# Altium PCB 6_layers_Testboard.PcbDoc (part 1 of 3) (continued)
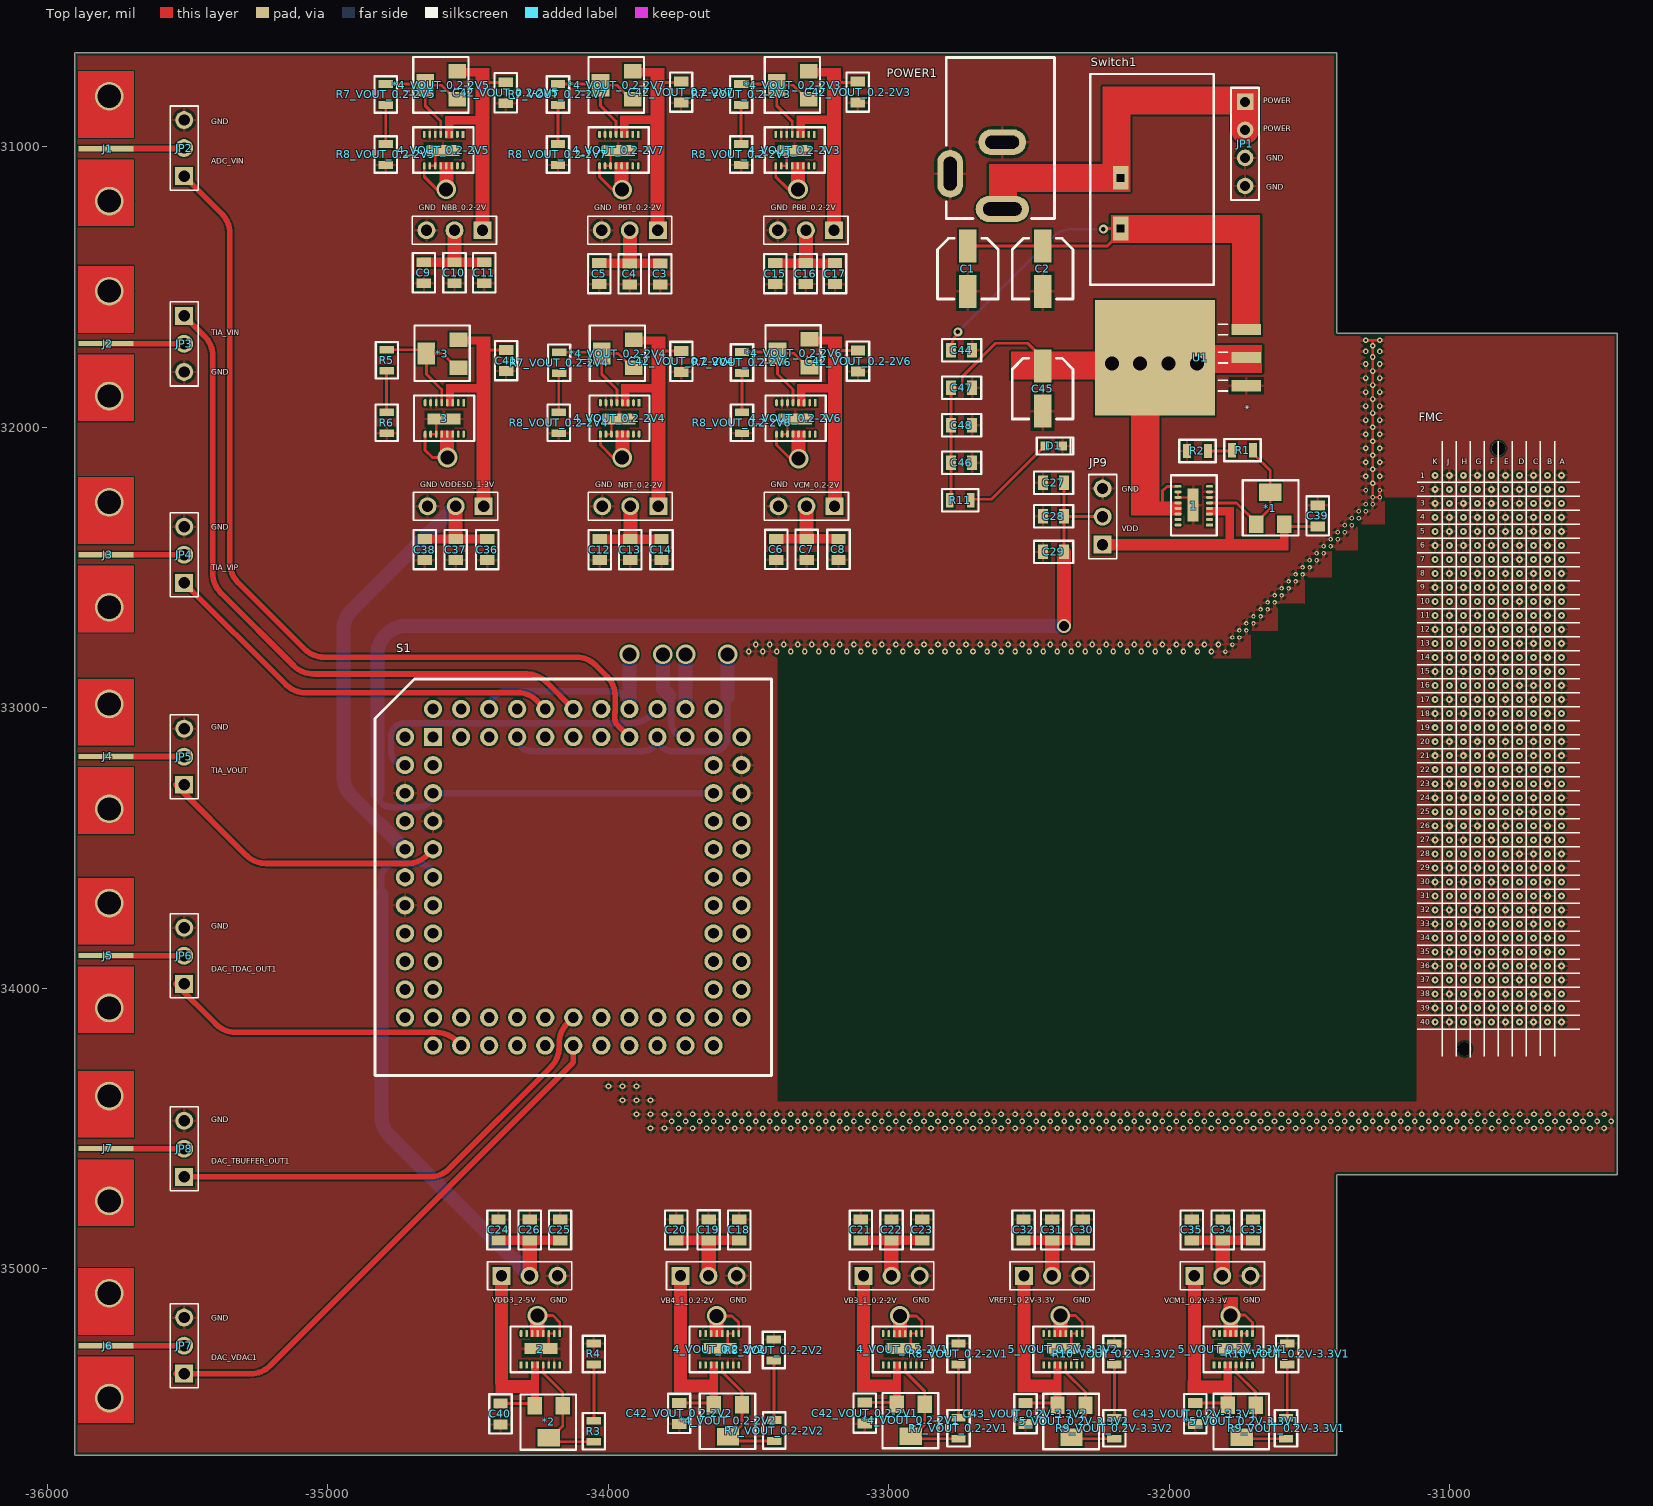
[diagram p0: Top layer view]
## Footprints (in the part's own frame and the unit in brackets; to place one, negate y for a bottom-side part, rotate by r counter-clockwise, add the part's x,y. Pads: shape width x height; smd on the part's side, far side on the other; paste and mask are expansions set on the pad) (continued)
  Bottom Layer region: 1,0 4.75,0 4.75,-1.75 4.888,-1.75 5.155,-1.822 5.395,-1.96 5.59,-2.155 5.728,-2.395 5.8,-2.662 5.8,-2.938 5.728,-3.205 5.59,-3.445 5.395,-3.64 5.155,-3.778 4.888,-3.85 4.75,-3.85 4.612,-3.85 4.345,-3.778 4.105,-3.64 3.91,-3.445 3.772,-3.205 3.7,-2.938 3.7,-2.662 3.772,-2.395 3.91,-2.155 4.105,-1.96 4.345,-1.822 4.612,-1.75 4.75,-1.75 4.75,-1.75 4.75,0 7,0 7,-5 1,-5
  Bottom Layer region: -1,0 -4.75,0 -4.75,-1.75 -4.888,-1.75 -5.155,-1.822 -5.395,-1.96 -5.59,-2.155 -5.728,-2.395 -5.8,-2.662 -5.8,-2.938 -5.728,-3.205 -5.59,-3.445 -5.395,-3.64 -5.155,-3.778 -4.888,-3.85 -4.75,-3.85 -4.612,-3.85 -4.345,-3.778 -4.105,-3.64 -3.91,-3.445 -3.772,-3.205 -3.7,-2.938 -3.7,-2.662 -3.772,-2.395 -3.91,-2.155 -4.105,-1.96 -4.345,-1.822 -4.612,-1.75 -4.75,-1.75 -4.75,-1.75 -4.75,0 -7,0 -7,-5 -1,-5
  body extent -7,-5 7,9.5, height 5.15
SERIES940_Socket [mil]
  round 65 hole 38: 1(500,-1100) 2(500,-1000) 3(600,-1100) 4(600,-1000) 5(700,-1100) 6(700,-1000) 7(800,-1100) 8(800,-1000) 9(900,-1100) 10(900,-1000) 11(1000,-1100) 12(1100,-1000) 13(1000,-1000) 14(1100,-900) 15(1000,-900) 16(1100,-800) 17(1000,-800) 18(1100,-700) 19(1000,-700) 20(1100,-600) 21(1000,-600) 22(1100,-500) 23(1000,-500) 24(1100,-400) 25(1000,-400) 26(1100,-300) 27(1000,-300) 28(1100,-200) 29(1000,-200) 30(1100,-100) 31(1000,-100) 32(1100,0) 33(1000,100) 34(1000,0) 35(900,100) 36(900,0) 37(800,100) 38(800,0) 39(700,100) 40(700,0) 41(600,100) 42(600,0) 43(500,100) 44(500,0) 45(400,100) 46(400,0) 47(300,100) 48(300,0) 49(200,100) 50(200,0) 51(100,100) 52(100,0) 53(0,100) 54(-100,0) 56(-100,-100) 57(0,-100) 58(-100,-200) 59(0,-200) 60(-100,-300) 61(0,-300) 62(-100,-400) 63(0,-400) 64(-100,-500) 65(0,-500) 66(-100,-600) 67(0,-600) 68(-100,-700) 69(0,-700) 70(-100,-800) 71(0,-800) 72(-100,-900) 73(0,-900) 74(-100,-1000) 75(0,-1100) 76(0,-1000) 77(100,-1100) 78(100,-1000) 79(200,-1100) 80(200,-1000) 81(300,-1100) 82(300,-1000) 83(400,-1100) 84(400,-1000)
  rect 65x65 hole 38: 55(0,0)
  silkscreen extent -206,-1206 1206,206, body extent -206,-1206 1206,206, height 319
SPST-2 [mil] "Switch; 2 Leads"
  rect 85x55 hole 27 square: 1(0,0) 2(181,0)
  silkscreen extent -370,-108 381,332, body extent -377,-102 376,327, height 554

## Part data
1 2 3 4_VOUT_0.2-2V1 4_VOUT_0.2-2V2 4_VOUT_0.2-2V3 4_VOUT_0.2-2V4 4_VOUT_0.2-2V5 4_VOUT_0.2-2V6 4_VOUT_0.2-2V7 5_VOUT_0.2V-3.3V1 5_VOUT_0.2V-3.3V2: library part LT3022, "Linear Voltage Regulator IC Positive Adjustable 1 Output 1A 16-DFN (5x3)"
C1 C2 C45: library part CAP-10uF, "CAP ALUM 100UF 20% 10V SMD", ESR (Equivalent Series Resistance)=-, Lifetime @ Temp.="1000 Hrs @ 85°C", Manufacturer="Panasonic Electronic Components", Manufacturer Part Number=EEE-1AA101WR, Operating Temperature="-40°C ~ 85°C", Package / Case="Radial, Can - SMD", Ratings=AEC-Q200, Supplier Part Number 1=PCE3867CT-ND, Tolerance=±20%, Applications=Automotive, Category=Capacitors, ComponentLink1Description=https://industrial.panasonic.com/cdbs/www-data/pdf/RDE0000/ABA0000C1145.pdf, ComponentLink1URL=https://industrial.panasonic.com/cdbs/www-data/pdf/RDE0000/ABA0000C1145.pdf, Height - Seated (Max)="0.213\" (5.40mm)", Lead Spacing=-, Mounting Type="Surface Mount", Packaging="Cut Tape (CT)", Part Status=Active, Polarization=Polar, Pricing 1="1=0.31, 10=0.212, 100=0.1272, 500=0.09538 (USD)", RoHS="RoHS Compliant", Size / Dimension="0.197\" Dia (5.00mm)", Stock 1=89696, Supplier 1=Digi-Key, Surface Mount Land Size="0.209\" L x 0.209\" W (5.30mm x 5.30mm)"
C3 C6 C9 C12 C15 C18 C21 C24 C27 C30 C33 C36: library part "Cap 0.1uF", "Cap 0.1uF", Capacitance=10nF, Case Code (Imperial)=0805, Case Code (Metric)=2012, Dielectric Material=Ceramic, Manufacturer="Taiyo Yuden", Manufacturer Part Number=UMK212SD103KD-T, Max Operating Temperature=125°C, Min Operating Temperature=-55°C, Package Quantity=1, Supplier Part Number 1=587-1114-1-ND, Tolerance=10%, Voltage Rating=50V, Case/Package=0805, ComponentLink1Description=https://datasheet.ciiva.com/138/umk212sd103kd-t-ss-138661.pdf, ComponentLink1URL=https://datasheet.ciiva.com/138/umk212sd103kd-t-ss-138661.pdf, ComponentLink2Description=https://datasheet.ciiva.com/138/mlcc07-e-138662.pdf, ComponentLink2URL=https://datasheet.ciiva.com/138/mlcc07-e-138662.pdf, ComponentLink3Description=https://datasheet.ciiva.com/138/mlcc07-e-138663.pdf, ComponentLink3URL=https://datasheet.ciiva.com/138/mlcc07-e-138663.pdf, ComponentLink4Description=https://datasheet.ciiva.com/30140/303umk212sd103kd-t-30140925.pdf, ComponentLink4URL=https://datasheet.ciiva.com/30140/303umk212sd103kd-t-30140925.pdf, Depth=1.25mm, Halogen Free="Halogen Free", Height=0.85mm, Lead Free="Lead Free", Length=2mm, Mount="Surface Mount", Number of Pins=2, Packaging="Tape and Reel", Pricing 1="1=0.47, 10=0.323, 100=0.1941, 500=0.1455, 1000=0.1229 (USD)", Radiation Hardening=No, Stock 1=14125, Supplier 1=Digi-Key, Termination=SMD/SMT, Thickness=0.037inch, Voltage Rating (DC)=50V, Width=0.049inch
C4 C7 C10 C13 C16 C19 C22 C25 C28 C31 C34 C37: library part "Cap 1uF", "Cap 1uF", Capacitance=10nF, Case Code (Imperial)=0805, Case Code (Metric)=2012, Dielectric Material=Ceramic, Manufacturer="Taiyo Yuden", Manufacturer Part Number=UMK212SD103KD-T, Max Operating Temperature=125°C, Min Operating Temperature=-55°C, Package Quantity=1, Supplier Part Number 1=587-1114-1-ND, Tolerance=10%, Voltage Rating=50V, Case/Package=0805, ComponentLink1Description=https://datasheet.ciiva.com/138/umk212sd103kd-t-ss-138661.pdf, ComponentLink1URL=https://datasheet.ciiva.com/138/umk212sd103kd-t-ss-138661.pdf, ComponentLink2Description=https://datasheet.ciiva.com/138/mlcc07-e-138662.pdf, ComponentLink2URL=https://datasheet.ciiva.com/138/mlcc07-e-138662.pdf, ComponentLink3Description=https://datasheet.ciiva.com/138/mlcc07-e-138663.pdf, ComponentLink3URL=https://datasheet.ciiva.com/138/mlcc07-e-138663.pdf, ComponentLink4Description=https://datasheet.ciiva.com/30140/303umk212sd103kd-t-30140925.pdf, ComponentLink4URL=https://datasheet.ciiva.com/30140/303umk212sd103kd-t-30140925.pdf, Depth=1.25mm, Halogen Free="Halogen Free", Height=0.85mm, Lead Free="Lead Free", Length=2mm, Mount="Surface Mount", Number of Pins=2, Packaging="Tape and Reel", Pricing 1="1=0.47, 10=0.323, 100=0.1941, 500=0.1455, 1000=0.1229 (USD)", Radiation Hardening=No, Stock 1=14125, Supplier 1=Digi-Key, Termination=SMD/SMT, Thickness=0.037inch, Voltage Rating (DC)=50V, Width=0.049inch
C5 C8 C11 C14 C17 C20 C23 C26 C29 C32 C35 C38: library part "Cap 100pF", "Cap 100pF", Capacitance=10nF, Case Code (Imperial)=0805, Case Code (Metric)=2012, Dielectric Material=Ceramic, Manufacturer="Taiyo Yuden", Manufacturer Part Number=UMK212SD103KD-T, Max Operating Temperature=125°C, Min Operating Temperature=-55°C, Package Quantity=1, Supplier Part Number 1=587-1114-1-ND, Tolerance=10%, Voltage Rating=50V, Case/Package=0805, ComponentLink1Description=https://datasheet.ciiva.com/138/umk212sd103kd-t-ss-138661.pdf, ComponentLink1URL=https://datasheet.ciiva.com/138/umk212sd103kd-t-ss-138661.pdf, ComponentLink2Description=https://datasheet.ciiva.com/138/mlcc07-e-138662.pdf, ComponentLink2URL=https://datasheet.ciiva.com/138/mlcc07-e-138662.pdf, ComponentLink3Description=https://datasheet.ciiva.com/138/mlcc07-e-138663.pdf, ComponentLink3URL=https://datasheet.ciiva.com/138/mlcc07-e-138663.pdf, ComponentLink4Description=https://datasheet.ciiva.com/30140/303umk212sd103kd-t-30140925.pdf, ComponentLink4URL=https://datasheet.ciiva.com/30140/303umk212sd103kd-t-30140925.pdf, Depth=1.25mm, Halogen Free="Halogen Free", Height=0.85mm, Lead Free="Lead Free", Length=2mm, Mount="Surface Mount", Number of Pins=2, Packaging="Tape and Reel", Pricing 1="1=0.47, 10=0.323, 100=0.1941, 500=0.1455, 1000=0.1229 (USD)", Radiation Hardening=No, Stock 1=14125, Supplier 1=Digi-Key, Termination=SMD/SMT, Thickness=0.037inch, Voltage Rating (DC)=50V, Width=0.049inch
C39 C40 C41 C42_VOUT_0.2-2V1 C42_VOUT_0.2-2V2 C42_VOUT_0.2-2V3 C42_VOUT_0.2-2V4 C42_VOUT_0.2-2V5 C42_VOUT_0.2-2V6 C42_VOUT_0.2-2V7 C43_VOUT_0.2V-3.3V1 C43_VOUT_0.2V-3.3V2: library part "Cap 10uF", "Cap 10uF", Capacitance=10nF, Case Code (Imperial)=0805, Case Code (Metric)=2012, Dielectric Material=Ceramic, Manufacturer="Taiyo Yuden", Manufacturer Part Number=UMK212SD103KD-T, Max Operating Temperature=125°C, Min Operating Temperature=-55°C, Package Quantity=1, Supplier Part Number 1=587-1114-1-ND, Tolerance=10%, Voltage Rating=50V, Case/Package=0805, ComponentLink1Description=https://datasheet.ciiva.com/138/umk212sd103kd-t-ss-138661.pdf, ComponentLink1URL=https://datasheet.ciiva.com/138/umk212sd103kd-t-ss-138661.pdf, ComponentLink2Description=https://datasheet.ciiva.com/138/mlcc07-e-138662.pdf, ComponentLink2URL=https://datasheet.ciiva.com/138/mlcc07-e-138662.pdf, ComponentLink3Description=https://datasheet.ciiva.com/138/mlcc07-e-138663.pdf, ComponentLink3URL=https://datasheet.ciiva.com/138/mlcc07-e-138663.pdf, ComponentLink4Description=https://datasheet.ciiva.com/30140/303umk212sd103kd-t-30140925.pdf, ComponentLink4URL=https://datasheet.ciiva.com/30140/303umk212sd103kd-t-30140925.pdf, Depth=1.25mm, Halogen Free="Halogen Free", Height=0.85mm, Lead Free="Lead Free", Length=2mm, Mount="Surface Mount", Number of Pins=2, Packaging="Tape and Reel", Pricing 1="1=0.47, 10=0.323, 100=0.1941, 500=0.1455, 1000=0.1229 (USD)", Radiation Hardening=No, Stock 1=14125, Supplier 1=Digi-Key, Termination=SMD/SMT, Thickness=0.037inch, Voltage Rating (DC)=50V, Width=0.049inch
C44 C46 C47 C48: library part UMK212SD103KD-T, "CAP 10nF 50V RF", Capacitance=10nF, Case Code (Imperial)=0805, Case Code (Metric)=2012, Dielectric Material=Ceramic, Manufacturer="Taiyo Yuden", Max Operating Temperature=125°C, Min Operating Temperature=-55°C, Package Quantity=1, Supplier Part Number 1=587-1114-1-ND, Tolerance=10%, Voltage Rating=50V, Case/Package=0805, ComponentLink1Description=https://datasheet.ciiva.com/138/umk212sd103kd-t-ss-138661.pdf, ComponentLink1URL=https://datasheet.ciiva.com/138/umk212sd103kd-t-ss-138661.pdf, ComponentLink2Description=https://datasheet.ciiva.com/138/mlcc07-e-138662.pdf, ComponentLink2URL=https://datasheet.ciiva.com/138/mlcc07-e-138662.pdf, ComponentLink3Description=https://datasheet.ciiva.com/138/mlcc07-e-138663.pdf, ComponentLink3URL=https://datasheet.ciiva.com/138/mlcc07-e-138663.pdf, ComponentLink4Description=https://datasheet.ciiva.com/30140/303umk212sd103kd-t-30140925.pdf, ComponentLink4URL=https://datasheet.ciiva.com/30140/303umk212sd103kd-t-30140925.pdf, Depth=1.25mm, Halogen Free="Halogen Free", Height=0.85mm, Lead Free="Lead Free", Length=2mm, Manufacturer Part Number=UMK212SD103KD-T, Mount="Surface Mount", Number of Pins=2, Packaging="Tape and Reel", Pricing 1="1=0.47, 10=0.323, 100=0.1941, 500=0.1455, 1000=0.1229 (USD)", Radiation Hardening=No, Stock 1=14125, Supplier 1=Digi-Key, Termination=SMD/SMT, Thickness=0.037inch, Voltage Rating (DC)=50V, Width=0.049inch
D1: library part "LG L29K-G2J1-24-Z", "LED GREEN DIFFUSED 0603 SMD", Current - Test=2mA, Lens Color=White, Manufacturer="OSRAM Opto Semiconductors Inc.", Millicandela Rating=3.92mcd, Package / Case="0603 (1608 Metric)", Supplier Device Package=0603, Supplier Part Number 1=475-2709-1-ND, Voltage - Forward (Vf) (Typ)=1.7V, Category=Optoelectronics, Color=Green, ComponentLink1Description=http://www.osram-os.com/Graphics/XPic0/00167682_0.pdf, ComponentLink1URL=http://www.osram-os.com/Graphics/XPic0/00167682_0.pdf, Features=-, Height (Max)=0.65mm, Lens Style/Size="Rectangle with Flat Top, 1.30mm x 0.80mm", Lens Transparency=Diffused, Manufacturer Part Number="LG L29K-G2J1-24-Z", Mounting Type="Surface Mount", Packaging="Cut Tape (CT)", Part Status=Active, Pricing 1="1=0.47, 10=0.339, 25=0.2768, 100=0.2215, 250=0.18688, 500=0.15918, 1000=0.12458, 2500=0.1142 (USD)", RoHS="RoHS Compliant", Size / Dimension="1.70mm L x 0.80mm W", Stock 1=0, Supplier 1=Digi-Key, Viewing Angle=160°, Wavelength - Dominant=570nm, Wavelength - Peak=572nm
J1 J2 J3 J4 J5 J6 J7: "SMA Right Angle Jack, Edge Mount Screw On, Heavy Duty, Up to 18 GHz, -65 to 165 degC", PartNumber=32K243-40ML5, ComponentLink1Description="Manufacturer URL", ComponentLink1URL=http://www.rosenberger.de, ComponentLink2Description=Datasheet, ComponentLink2URL=http://rosenberger.de/ok/images/documents/db/32K243-40ML5.pdf, ComponentLink3Description="Package Specification", ComponentLink3URL=http://rosenberger.de/ok/images/documents/db/32K243-40ML5.pdf, ComponentLink4Description="Series Overview / Design Note", ComponentLink4URL=http://rosenberger.de/ok/images/documents/spez/32.pdf, ComponentLink5Description="Webshop / RFQ", ComponentLink5URL=http://www.rosenberger.com/en/contact/sales/, DatasheetVersion=c00, Design Note="Footprint in library is a generic example - only application specific footprint delivers High Performance", Mounting Technology="Surface Mount", PackageDescription="SMA Right Angle Jack, Edge Mount Screw On, 14.50 x 14.00 x 5.15 mm", PackageReference=32K243-40ML5, PackageVersion=c00
JP1: "Header, 4-Pin", LatestRevisionDate=17-Jul-2002, LatestRevisionNote="Re-released for DXP Platform.", Publisher="Altium Limited"
JP2 JP3 JP4 JP5 JP6 JP7 JP8 JP9 NBB_0.2-2V NBT_0.2-2V PBB_0.2-2V PBT_0.2-2V VB3_1_0.2-2V VB4_1_0.2-2V VCM1_0.2V-3.3V VCM_0.2-2V VDD3_2-5V VDDESD_1-3V VREF1_0.2V-3.3V: library part Jumper-01x03, "01X03 generic terminal connector"
POWER1: "PJ-002AH", Colour=Black, Current Rating=5A, Flammability Rating="UL94 V-0", Insulation Resistance=50MR, Manufacturer=CUI, Max Operating Temperature=85°C, Min Operating Temperature=-25°C, Package Quantity=500, Supplier Part Number 1=CP-002AH-ND, Voltage Rating=24V, ComponentLink1Description=http://www.cui.com/Product/Resource/FuturePDF/PJ-002AH.pdf, ComponentLink1URL=http://www.cui.com/Product/Resource/FuturePDF/PJ-002AH.pdf, ComponentLink2Description=http://www.cui.com/product/resource/digikeypdf/pj-002ah.pdf, ComponentLink2URL=http://www.cui.com/product/resource/digikeypdf/pj-002ah.pdf, ComponentLink3Description=http://www.mouser.com/ds/2/670/pj-002ah-516007.pdf, ComponentLink3URL=http://www.mouser.com/ds/2/670/pj-002ah-516007.pdf, Connector Type=Jack, Contact Gender=Male, Contact Material="Copper,Copper Alloy", Contact Plating=Nickel, Diameter=2.1mm, Gender=Male, Housing Colour=Black, Housing Material=Thermoplastic, Lead Free="Lead Free", Manufacturer Part Number=PJ-002AH, Mount="Through Hole", Number of Conductors=2, Orientation=Horizontal, Packaging=Bulk, Pricing 1="1=0.74, 10=0.696, 25=0.6264, 50=0.5568, 100=0.5336, 250=0.4872, 500=0.464, 1000=0.3828, 2500=0.348 (USD)", Shielding=Unshielded, Stock 1=95768, Supplier 1=Digi-Key, Termination="Through Hole"
R1 R2 R3 R4 R5 R6 R7_VOUT_0.2-2V1 R7_VOUT_0.2-2V2 R7_VOUT_0.2-2V3 R7_VOUT_0.2-2V4 R7_VOUT_0.2-2V5 R7_VOUT_0.2-2V6 R7_VOUT_0.2-2V7 R8_VOUT_0.2-2V1 R8_VOUT_0.2-2V2 R8_VOUT_0.2-2V3 R8_VOUT_0.2-2V4 R8_VOUT_0.2-2V5 R8_VOUT_0.2-2V6 R8_VOUT_0.2-2V7 R9_VOUT_0.2V-3.3V1 R9_VOUT_0.2V-3.3V2 R10_VOUT_0.2V-3.3V1 R10_VOUT_0.2V-3.3V2: library part "Res 100"
R11: library part RES
S1: library part 940-44-020-24-000000, Case/Package=PLCC, Manufacturer=Mill-Max, Max Operating Temperature=120°C, Min Operating Temperature=-40°C, Package Quantity=38, Supplier Part Number 1=ED90005-ND, Body Material=PPS, Category="IC and Component Sockets", ComponentLink1Description=https://datasheet.ciiva.com/3963/940-44-020-24-000000-3963718.pdf?src-supplier=Arrow+Electronics, ComponentLink1URL=https://datasheet.ciiva.com/3963/940-44-020-24-000000-3963718.pdf?src-supplier=Arrow+Electronics, ComponentLink2Description=https://datasheet.ciiva.com/16425/9404402024000000-16425193.pdf?src-supplier=Future+Electronics, ComponentLink2URL=https://datasheet.ciiva.com/16425/9404402024000000-16425193.pdf?src-supplier=Future+Electronics, Contact Material=Copper, Contact Plating=Tin, Contact Type="Type D", Depth=15.57mm, Housing Material=Polyphenylene, Insulation Material=Polyphenylene, Lead Free="Lead Free", Length=15.57mm, Manufacturer Part Number=940-44-020-24-000000, Mount="Through Hole", Number of Contacts=20, Number of Pins=20, Number of Positions=20, Number of Rows=4, Orientation=Straight, Packaging=Rail/Tube, Pitch=0.1inch, Pricing 1="1=1.60000, 10=1.44800, 25=1.35920, 50=1.30020, 100=1.24110, 250=1.12292, 500=1.03426, 1000=0.88650, 2500=0.82740 (USD)", RoHS=Yes, RoHS Compliant=Yes, Series=940, Stock 1=458, Supplier 1=Digi-Key, Termination=Solder, Width=15.57mm
Switch1: "L101011MS02Q", Contact Current Rating=2A, Current Rating=4A, Manufacturer="ITT C&K", Max Operating Temperature=65°C, Max Voltage Rating (AC)=250V, Max Voltage Rating (DC)=125V, Min Operating Temperature=-30°C, Package Quantity=1, Supplier Part Number 1=CKC5106-ND, Voltage Rating (DC)=28V, Actuator Length=5.08mm, Actuator Material=Nylon,Polyamide, ComponentLink1Description=https://datasheet.ciiva.com/17406/l-10jun14-17406600.pdf, ComponentLink1URL=https://datasheet.ciiva.com/17406/l-10jun14-17406600.pdf, ComponentLink2Description=https://datasheet.ciiva.com/18147/getdatasheetpartid-301248-18147196.pdf, ComponentLink2URL=https://datasheet.ciiva.com/18147/getdatasheetpartid-301248-18147196.pdf, ComponentLink3Description=https://datasheet.ciiva.com/2889/l-10jun14-2889869.pdf, ComponentLink3URL=https://datasheet.ciiva.com/2889/l-10jun14-2889869.pdf, Contact Material=Copper, Contact Plating=Silver, Depth=10.8mm, Electrical Life=10000Cycles, Housing Material=Nylon, Lead Free="Lead Free", Length=19.1mm, Manufacturer Part Number=L101011MS02Q, Max Current Rating=4A, Mount="Through Hole", Orientation=Straight, Packaging=Bulk, Pricing 1="1=1.65, 10=1.584, 25=1.5504, 50=1.3482, 100=1.3145, 250=1.2808, 500=1.0786, 1000=1.0112, 5000=0.9269 (USD)", Radiation Hardening=No, Stock 1=8267, Supplier 1=Digi-Key, Switch Function=On-Off, Switch Travel=3.81mm, Termination="PC Pins", Throw Configuration=SPST, Voltage Rating (AC)=125V
U1: library part LM1085-IS-5.0/NOP, "No Description Available", Manufacturer_Part_Number=LM1085IS-5.0/NOPB, Supplier Part Number 1=LM1085IS-5.0/NOPB-ND, Built_By=EMA_UL_Team, Copyright="Copyright (C) 2018 Accelerated Designs. All rights reserved", RefDes=RefDes, SourceLibrary=National_2011-09-26, Supplier 1=Digi-Key, Type=DEV, Vendor="Texas Instruments"

## Via types
v1: diameter 25, hole 10, Top layer to Bottom Layer, 399 vias
v2: diameter 20, hole 10, Top layer to Bottom Layer, 314 vias
v3: diameter 16, hole 8, Top layer to Bottom Layer, 46 vias
v4: diameter 70, hole 50, Top layer to Bottom Layer, 15 vias
v5: diameter 80, hole 50, Top layer to Bottom Layer, 4 vias
v6: diameter 32, hole 16, Top layer to Bottom Layer, 2 vias
v7: diameter 25, hole 10, Top layer to Bottom Layer, tented both sides, 1 vias
v8: diameter 50, hole 35, Top layer to Bottom Layer, 1 vias

## Nets (pads, with @x,y where several pads share a name; then routed paths per layer and width w, separated by ;. In a path a pad name is that pad's centre, name@x,y a point inside that pad or via, vN(x,y) a via of type N, cw(c..) or ccw(c..) an arc to the next point about the centre after c; other vN are vias at no path point)
0.5V-2V: C27.2 C28.1 C29.2 JP9.2 S1.29 S1.59 | length 4930.2
  Top layer w10: C29.2@-32375.66,-32444.87 C28.1@-32375.66,-32317.87 ; C27.2@-32362.94,-32218.46 -32375.66,-32205.74 C27.2@-32375.66,-32197.87 C28.1@-32375.66,-32317.87 ; JP9.2@-32238,-32319 -32374.53,-32319 C28.1@-32375.66,-32317.87
  Top layer w50: v8(-32376,-32709) -32375.66,-32708.66 C29.2@-32375.66,-32444.87
  Bottom Layer w23: -34823.22,-33306.41 ccw(c-34774.93,-33306.41) -34774.93,-33354.7 -34725.74,-33355 ccw(c-34725.44,-33305) -34724.9,-33355 -34697.56,-33354.7 -34675.14,-33354.7 ccw(c-34675.14,-33305) S1.59@-34625.44,-33305 S1.29@-33625.44,-33305
  Bottom Layer w50: -34823.22,-33306.41 -34823.22,-32810.22 cw(c-34722,-32810.22) -34722,-32709 v8(-32376,-32709)
1-3V: C36.2 C37.1 C38.2 S1.32 S1.62 VDDESD_1-3V.2 | length 3046.1
  Inner Layer 2 w23: S1.62@-34725.44,-33505 -34703.73,-33483.29 cw(c-34633.02,-33554) -34637.98,-33454.12 cw(c-34636.88,-33477.1) -34633.31,-33454.38 ccw(c-34625.44,-33405) -34617.13,-33454.31 cw(c-34613.4,-33477) -34613.46,-33454 -33919.42,-33454 ccw(c-33919.42,-33354) -33848.71,-33424.71 -33708.29,-33284.29 cw(c-33637.58,-33355) -33671.69,-33261 cw(c-33637.58,-33355) -33637.58,-33255 -33625.86,-33255 cw(c-33625.44,-33305) -33625.04,-33255 -33545,-33255 -33525.44,-33255 ccw(c-33525.44,-33205) -33523.59,-33254.97 -33486.27,-33253.58 ccw(c-33486.27,-33221.31) -33454,-33221.31 -33454,-33136 ccw(c-33485,-33136) -33485,-33105 S1.32@-33525.44,-33105 S1.32@-33545.41,-33105
  Bottom Layer w50: S1.62@-34725.44,-33505 -34915.71,-33314.73 cw(c-34845,-33244.02) -34945,-33244.02 -34945,-32723.47 cw(c-34845,-32723.47) -34915.71,-32652.76 VDDESD_1-3V.2@-34544.95,-32282
2V-5V: C24.2 C25.1 C26.2 S1.65 VDD3_2-5V.2 | length 1877.3
  Bottom Layer w23: -34810,-33666 -34810,-33608 cw(c-34757,-33608) -34757,-33555 -34675.44,-33555 cw(c-34675.44,-33605) S1.65@-34625.44,-33605
  Bottom Layer w50: -34810,-33666 -34810,-34455.96 ccw(c-34710,-34455.96) -34780.71,-34526.67 -34351.81,-34955.57 ccw(c-34316.56,-34920.1) -34336.96,-34965.75 cw(c-34349.49,-34994.11) -34321.13,-34981.59 ccw(c-34275.48,-34961.19) -34310.94,-34996.43 VDD3_2-5V.2@-34281.38,-35026
12-5V_regulator: 1.9 1.12 1.13 1.14 2.9 2.12 2.13 2.14 3.9 3.12 3.13 3.14 4_VOUT_0.2-2V1.9 4_VOUT_0.2-2V1.12 4_VOUT_0.2-2V1.13 4_VOUT_0.2-2V1.14 4_VOUT_0.2-2V2.9 4_VOUT_0.2-2V2.12 4_VOUT_0.2-2V2.13 4_VOUT_0.2-2V2.14 4_VOUT_0.2-2V3.9 4_VOUT_0.2-2V3.12 4_VOUT_0.2-2V3.13 4_VOUT_0.2-2V3.14 4_VOUT_0.2-2V4.9 4_VOUT_0.2-2V4.12 4_VOUT_0.2-2V4.13 4_VOUT_0.2-2V4.14 4_VOUT_0.2-2V5.9 4_VOUT_0.2-2V5.12 4_VOUT_0.2-2V5.13 4_VOUT_0.2-2V5.14 4_VOUT_0.2-2V6.9 4_VOUT_0.2-2V6.12 4_VOUT_0.2-2V6.13 4_VOUT_0.2-2V6.14 4_VOUT_0.2-2V7.9 4_VOUT_0.2-2V7.12 4_VOUT_0.2-2V7.13 4_VOUT_0.2-2V7.14 5_VOUT_0.2V-3.3V1.9 5_VOUT_0.2V-3.3V1.12 5_VOUT_0.2V-3.3V1.13 5_VOUT_0.2V-3.3V1.14 5_VOUT_0.2V-3.3V2.9 5_VOUT_0.2V-3.3V2.12 5_VOUT_0.2V-3.3V2.13 5_VOUT_0.2V-3.3V2.14 C45.1 C46.1 C47.1 C48.1 R11.2 U1.2 U1.4 | length 2793.1
  Top layer w10: 4_VOUT_0.2-2V5.9@-34656.75,-31068.13 -34656.75,-31107.25 -34612.14,-31151.86 -34579.14,-31151.86 v4(-34579,-31152) v4@-34578,-31151 ; 3.9@-34653.75,-32025 -34653.75,-32082.25 -34628,-32108 v4(-34574,-32108) ; v4@-34253.5,-35200 v4@-34253.5,-35193.5 ; v4(-34253,-35168) -34253.5,-35168.5 v4@-34253.5,-35193.5 ; 2.9@-34173.62,-35231.84 -34173.62,-35192.72 -34198.34,-35168 -34233,-35168 -34253.5,-35188.5 v4@-34253.5,-35193.5 ; 4_VOUT_0.2-2V7.9@-34031.76,-31068.13 -34031.76,-31107.25 -33987.14,-31151.87 -33952.13,-31151.87 v4(-33951,-31153) -33951,-31102 -33953,-31100 ; 4_VOUT_0.2-2V4.9@-34028.76,-32025 -34028.76,-32064.12 -33984.51,-32108.37 -33952.37,-32108.37 v4@-33951.74,-32109 ; v4@-33614.5,-35200 v4@-33614.5,-35194.5 ; v4(-33614,-35169) -33614.5,-35169.5 v4@-33614.5,-35194.5 ; 4_VOUT_0.2-2V2.9@-33535.24,-35231.84 -33535.24,-35192.72 -33558.96,-35169 -33594,-35169 -33614.5,-35189.5 v4@-33614.5,-35194.5 ; 4_VOUT_0.2-2V3.9@-33403.76,-31068.13 -33403.76,-31107.25 -33359.14,-31151.87 -33324.13,-31151.87 v4(-33324,-31152) -33324,-31100.5 -33325,-31099.5 ; 4_VOUT_0.2-2V6.9@-33400.76,-32025 -33400.76,-32064.12 -33356.14,-32108.74 -33325.26,-32108.74 v4(-33322,-32112) ; v4@-32961,-35201 v4(-32961,-35169) ; v4@-32961,-35194 -32936,-35169 -32901.63,-35169 -32882.63,-35188 4_VOUT_0.2-2V1.9@-32882.63,-35231.84 ; R11.2@-32783.09,-32261 -32778.09,-32256 C46.1@-32778.09,-32127.25 C48.1@-32778.09,-31993.5 C47.1@-32778.09,-31859.75 -32738.67,-31859.75 -32738.67,-31820.33 -32619.34,-31701 -32505.02,-31701 -32452,-31754.02 C45.1@-32452,-31781.58 ; v4@-32389,-35200 v4@-32389,-35193 ; v4(-32389,-35168) v4@-32389,-35193 ; 5_VOUT_0.2V-3.3V2.9@-32310.34,-35231.84 -32310.34,-35192.72 -32335.06,-35168 -32369,-35168 -32389,-35188 v4@-32389,-35193 ; -32024,-32271.82 -32024,-32226.82 -32008.25,-32211.07 1.9@-31969.13,-32211.07 ; v4(-31782,-35168) -31781.5,-35168.5 v4@-31781.5,-35191.5 ; v4@-31781.5,-35200 v4@-31781.5,-35191.5 ; 5_VOUT_0.2V-3.3V1.9@-31703.25,-35231.84 -31703.25,-35192.72 -31729.98,-35166 -31761,-35166 -31781.5,-35186.5 v4@-31781.5,-35191.5
  Bottom Layer w50: v4(-34579,-31152) v4@-34578.5,-31152.5 ; v4(-34574,-32108) v4@-34573.5,-32108.5 ; v4(-34253,-35168) v4@-34252.5,-35168.5 ; v4@-33951.5,-32108.5 v4@-33949.5,-32110.5 ; v4@-33951.5,-31152.5 v4(-33951,-31153) v4@-33950.5,-31152.5 ; v4@-33614.5,-35168.5 v4(-33614,-35169) ; v4@-33324.5,-31152.5 v4(-33324,-31152) ; v4@-33323.5,-32110.5 v4(-33322,-32112) ; v4(-32961,-35169) v4@-32960.5,-35168.5 ; v4@-32389.5,-35168.5 v4(-32389,-35168)
  other v4: -33951,-32109
  other v5: -32205,-31773 -32104,-31773 -32003,-31773 -31902,-31773
12V: C1.1 C2.1 C44.1 Switch1.2 U1.3 | length 1375.2
  Top layer w10: C44.1@-32778.09,-31726 -32778.09,-31722.15 cw(c-32695.85,-31722.15) v6@-32754,-31664 ; C1.1@-32718.35,-31354.29 C2.1@-32452,-31354.29 -32221.29,-31354.29 -32174,-31307 Switch1.2@-32174,-31292 -32230.17,-31292 ccw(c-32230.17,-31298.83) v6(-32235,-31294)
  Bottom Layer w10: v6(-32754,-31660) -32417.29,-31323.29 cw(c-32346.58,-31394) -32346.58,-31294 v6(-32235,-31294)
ADC_CLK: 3.G24 S1.27 | length 2821.9
  Inner Layer 1 w7: S1.27@-33625.44,-33405 -33599.73,-33430.71 ccw(c-33529.02,-33360) -33529.02,-33460 -33371,-33460 -33298,-33460 -32558,-33460 -32537.5,-33460 cw(c-32537.5,-33468.5) -32529,-33468.5 -32529,-33476.2 ccw(c-32520.5,-33476.2) -32512,-33476.2 -32512,-33468.5 cw(c-32503.5,-33468.5) -32503.5,-33460 -32454.45,-33460 -32159.42,-33460 ccw(c-32159.42,-33360) -32088.71,-33430.71 -32033.29,-33375.29 cw(c-31962.58,-33446) -31962.58,-33346 -30961.12,-33346 ccw(c-30961.12,-33262.39) v1(-30902,-33321.51)
ADC_CLK_SAMPLE: 3.H23 S1.26 | length 2821.9
  Inner Layer 1 w7: S1.26@-33525.44,-33405 -33514.73,-33415.71 ccw(c-33444.02,-33345) -33444.02,-33445 -32540,-33445 -32536.5,-33445 ccw(c-32536.5,-33436.5) -32528,-33436.5 -32528,-33357.84 cw(c-32519.5,-33357.84) -32511,-33357.84 -32511,-33436.5 ccw(c-32502.5,-33436.5) -32502.5,-33445 -32466.72,-33445 -32166.42,-33445 ccw(c-32166.42,-33345) -32095.71,-33415.71 -32006.29,-33326.29 cw(c-31935.58,-33397) -31935.58,-33297 -31013.53,-33297 ccw(c-31013.53,-33209.98) v1(-30952,-33271.51)
ADC_DOUT1: 3.G34 S1.15 | length 2821.9
  Inner Layer 1 w7: S1.15@-33625.44,-34005 -33609.73,-33989.29 cw(c-33539.02,-34060) -33539.02,-33960 -32929.77,-33960 -32909.27,-33960 cw(c-32909.27,-33968.5) -32900.77,-33968.5 -32900.77,-33977.86 ccw(c-32892.27,-33977.86) -32883.77,-33977.86 -32883.77,-33968.5 cw(c-32875.27,-33968.5) -32875.27,-33960 -32846,-33960 -31918.42,-33960 ccw(c-31918.42,-33860) -31847.71,-33930.71 -31792.29,-33875.29 cw(c-31721.58,-33946) -31721.58,-33846 -30953,-33846 ccw(c-30953,-33781.99) -30926.05,-33840.05 ccw(c-30953,-33781.99) -30907.74,-33827.25 v1(-30902,-33821.51)
ADC_DOUT2: 3.G33 S1.16 | length 2821.9
  Inner Layer 1 w7: S1.16@-33525.44,-33905 -33514.73,-33915.71 ccw(c-33444.02,-33845) -33444.02,-33945 -32913.01,-33945 -32909.51,-33945 ccw(c-32909.51,-33936.5) -32901.01,-33936.5 -32901.01,-33882.87 cw(c-32892.51,-33882.87) -32884.01,-33882.87 -32884.01,-33936.5 ccw(c-32875.51,-33936.5) -32875.51,-33945 -32821,-33945 -31925.42,-33945 ccw(c-31925.42,-33845) -31854.71,-33915.71 -31765.29,-33826.29 cw(c-31694.58,-33897) -31694.58,-33797 -30963,-33797 ccw(c-30963,-33711.27) -30902.38,-33771.89 v1(-30902,-33771.51)